# Altium PCB roach2.PcbDoc (part 29 of 39) (continued)
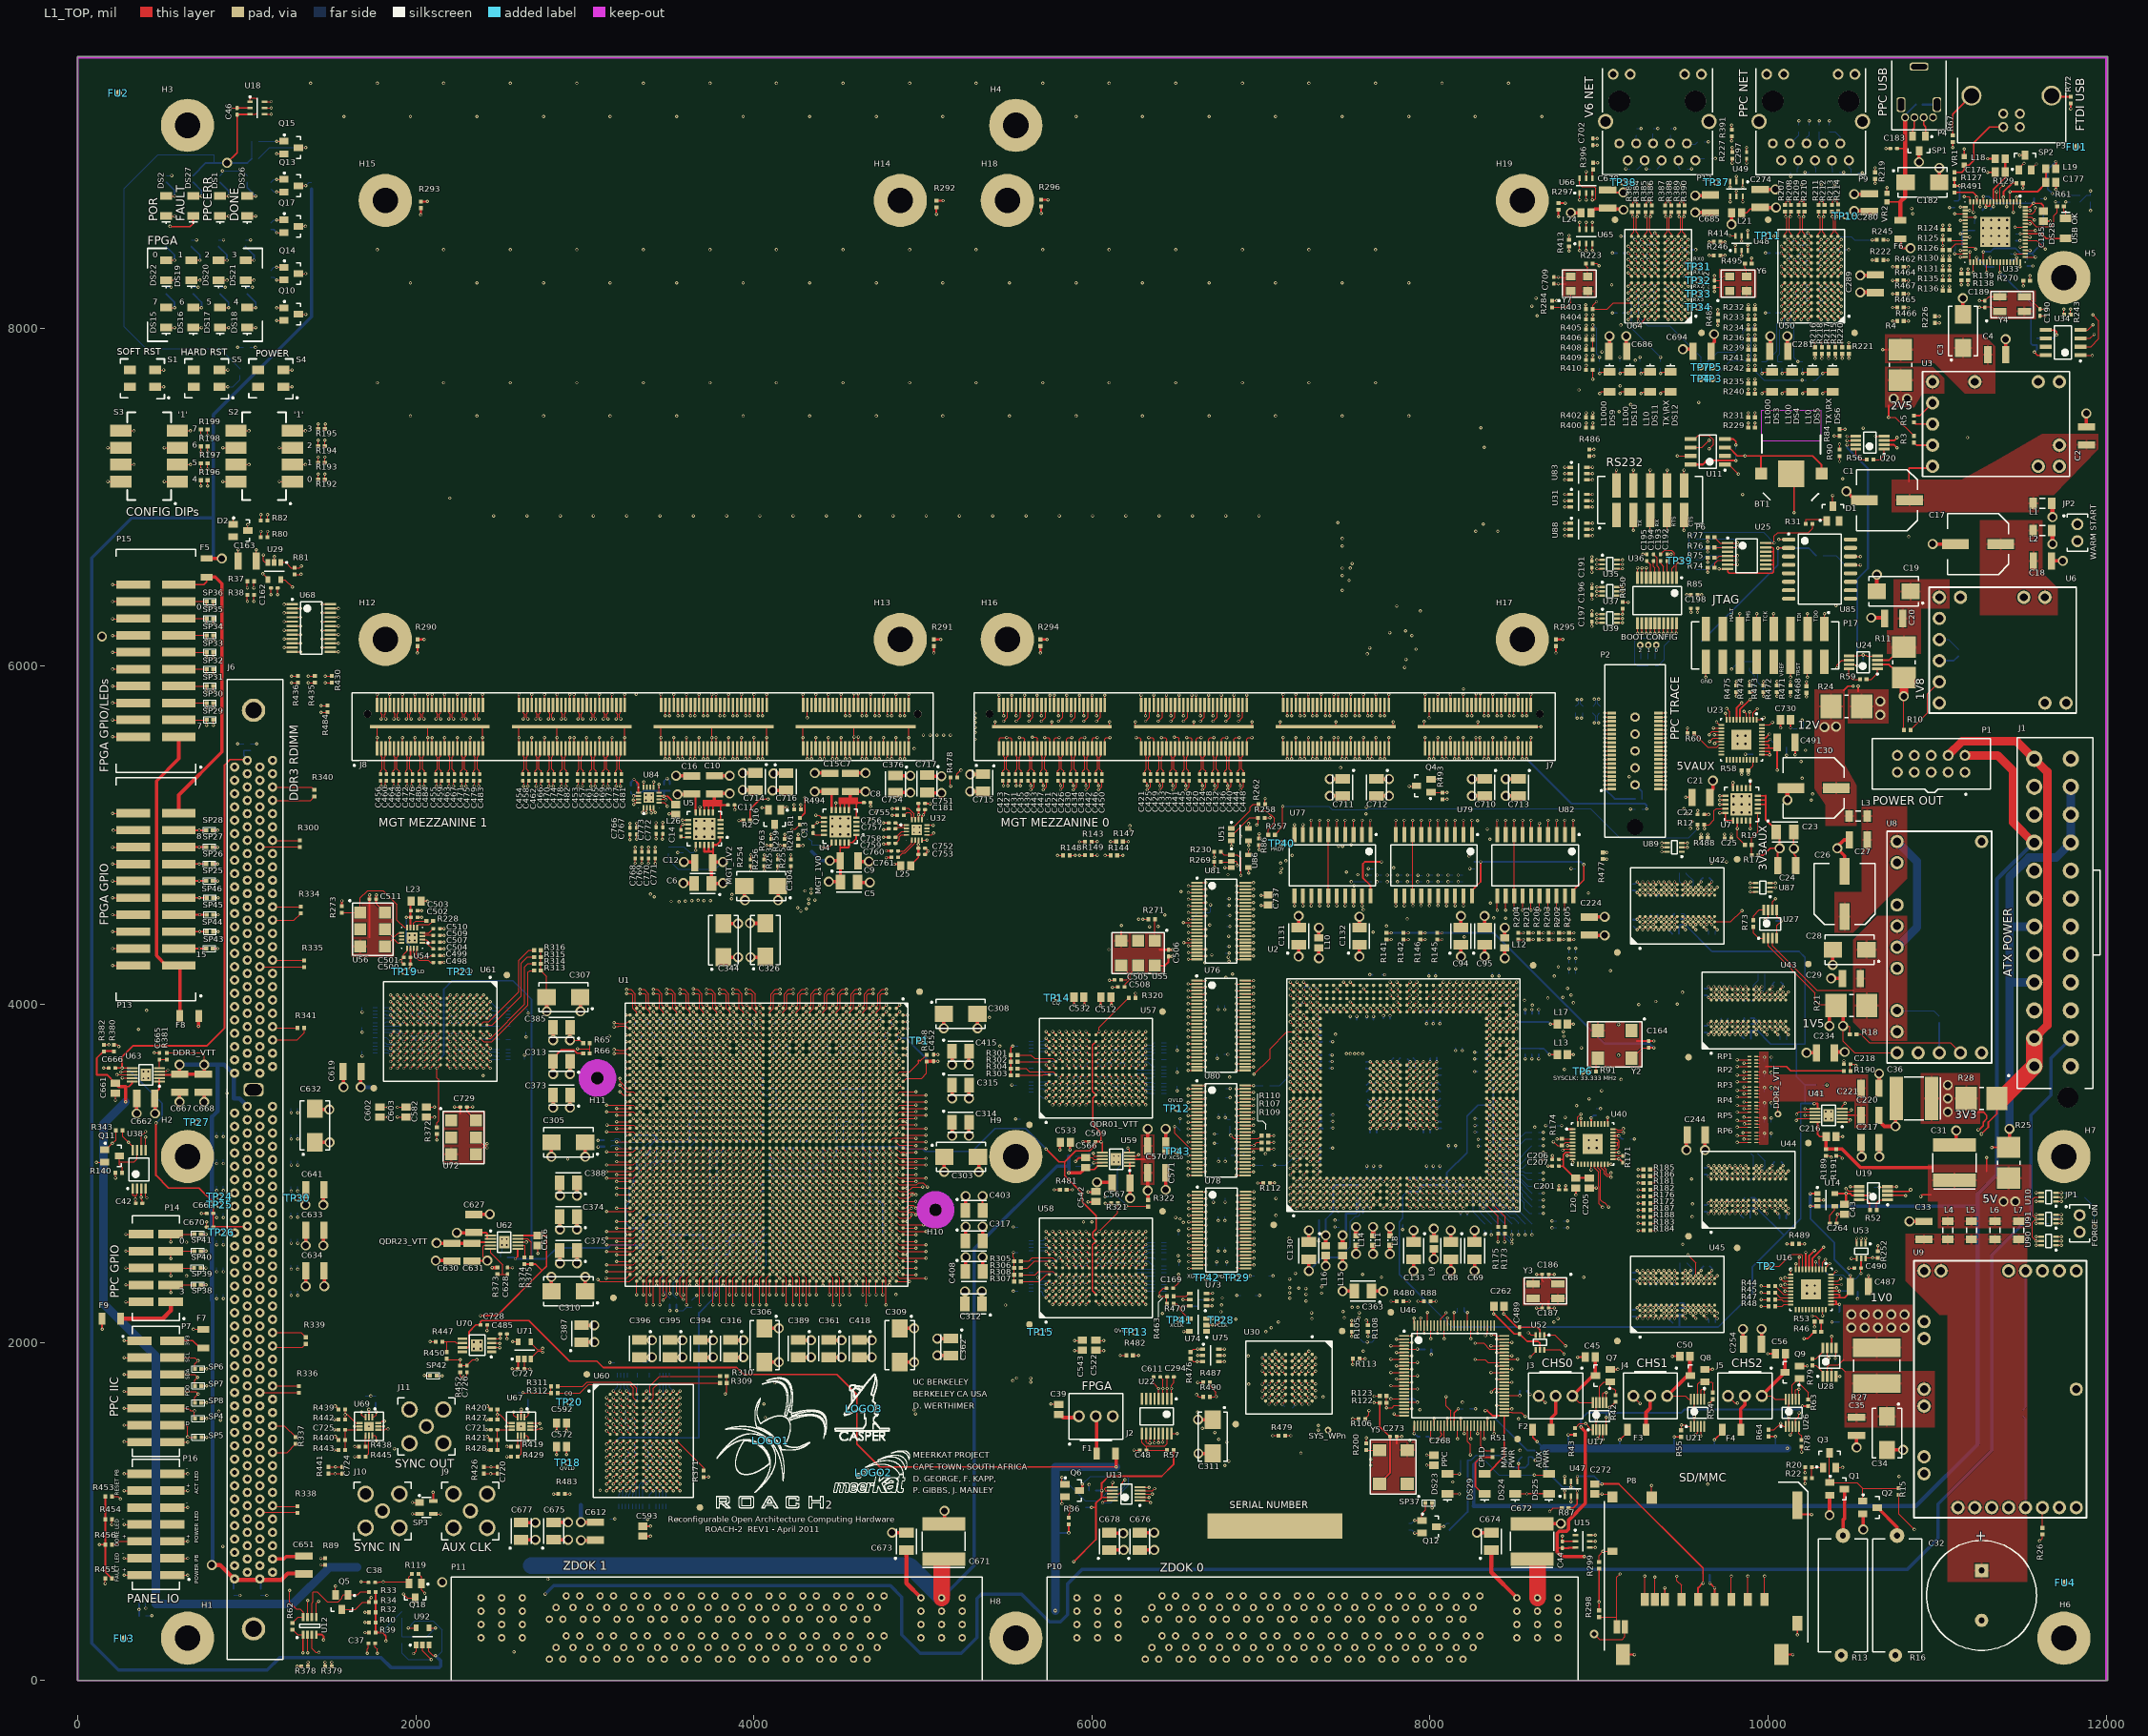
[diagram p0: L1_TOP view]
## Nets (pads, with @x,y where several pads share a name; then routed paths per layer and width w, separated by ;. In a path a pad name is that pad's centre, name@x,y a point inside that pad or via, vN(x,y) a via of type N, cw(c..) or ccw(c..) an arc to the next point about the centre after c; other vN are vias at no path point) (continued)
QDR1.Q29: U1.D32 U58.E1 | length 1413.4
  L1_TOP w5: U1.D32@4762.88,2754.37 v1(4782.57,2734.68) ; v1(5885.83,2224.41) U58.E1@5905.51,2244.09
  L3_S w3.8: v1(4782.57,2734.68) 4798.17,2750.28 4848.2,2750.28 4899.08,2699.4 4973.83,2699.4 4998.04,2675.19 5021.6,2675.19 5058.79,2638 5319.98,2638 5460.99,2496.99 5526.99,2496.99 5610.99,2412.99 5610.99,2385.07 5708.66,2287.4 5744.09,2287.4 5751.97,2279.53 5751.97,2255.91 5759.84,2248.03 5862.2,2248.03 v1(5885.83,2224.41)
QDR1.Q30: U1.J32 U58.F1 | length 1737.8
  L1_TOP w5: U1.J32@4566.03,2754.37 v1(4585.72,2734.68) ; v1(5925.2,2224.41) U58.F1@5944.88,2244.09
  L3_S w3.8: v1(4585.72,2734.68) 4601.41,2718.99 4669.12,2718.99 4688.23,2699.88 4688.23,2688.85 4705.17,2671.91 4862.99,2671.91 4867.08,2667.83 4913.82,2667.83 4944.13,2637.52 4944.13,2629.8 4953.27,2620.66 4993.76,2620.66 5012.28,2602.14 5229.84,2602.14 5300.99,2530.99 5300.99,2446.99 5348.99,2398.99 5440.99,2398.99 5470.99,2368.99 5470.99,2280.99 5551.12,2200.86 5901.65,2200.86 v1(5925.2,2224.41)
QDR1.Q31: U1.A34 U58.J2 | length 1399
  L1_TOP w5: U1.A34@4881.89,2675.63 v2(4959.73,2675.63) ; U58.J2@6062.99,2283.46 v1(6082.68,2263.78)
  L5_S w3.8: v2@4960.63,2677.17 4960.95,2676.85 4963.6,2674.19 5077.78,2674.19 5196.85,2555.12 5429.13,2555.12 5657.55,2326.7 5940.24,2326.7 5944.1,2322.83 5996.06,2322.83 6035.43,2283.46 6062.99,2283.46 v1(6082.68,2263.78)
QDR1.Q32: U1.C35 U58.K1 | length 1563.8
  L1_TOP w5: U1.C35@4802.25,2636.26 v1(4821.94,2616.57) ; U58.K1@6102.36,2244.09 v1(6122.05,2224.41)
  L14_S w3.8: v1(4821.94,2616.57) 4839.25,2616.57 4854.85,2600.97 4876.51,2600.97 4935.56,2541.92 4972.56,2541.92 4995.49,2518.99 5023.53,2518.99 5026.62,2515.91 5038.59,2503.94 5201.83,2503.94 5238.32,2540.43 5377.56,2540.43 5709.32,2208.66 6110.24,2208.66 6122.05,2220.47 v1(6122.05,2224.41)
QDR1.Q33: U1.E34 U58.L1 | length 1701
  L1_TOP w5: U1.E34@4723.51,2675.63 v1(4743.2,2655.94) ; U58.L1@6141.73,2244.09 v1(6161.42,2224.41)
  L14_S w3.8: v1@4744.1,2657.48 4744.42,2657.16 4769.4,2632.17 4789.03,2632.17 4798.17,2623.04 4798.17,2613.82 4819.18,2592.8 4828.4,2592.8 4829.21,2591.99 4863.99,2591.99 4925.99,2529.99 4962.99,2529.99 5012.67,2480.31 5227.58,2480.31 5238.32,2469.57 5367.67,2469.57 5378.41,2480.31 5419.67,2480.31 5703.13,2196.85 6153.54,2196.85 6161.42,2204.72 v1(6161.42,2224.41)
QDR1.Q34: U1.A32 U58.M2 | length 1626.5
  L1_TOP w5: U1.A32@4880.99,2754.37 4905.53,2754.37 4921.73,2770.57 4943.53,2770.57 v2(4959.73,2754.37) ; U58.M2@6181.1,2283.46 v1(6200.79,2263.78)
  L5_S w3.8: v2(4959.73,2754.37) 5003.19,2710.91 5010.06,2710.91 5028.06,2692.91 5098.42,2692.91 5212.6,2578.74 5458.24,2578.74 5619.66,2417.32 6153.54,2417.32 6181.1,2389.76 6181.1,2283.46 v1(6200.79,2263.78)
QDR1.Q35: U1.P25 U58.P1 | length 2587.8
  L1_TOP w5: U1.P25@4369.18,3029.96 v1(4388.87,3010.27) ; U58.P1@6259.84,2244.09 v1(6279.53,2224.41)
  L5_S w3.8: v1(4388.87,3010.27) 4412.64,2986.5 4412.64,2964.44 4421.77,2955.3 4842.18,2955.3 4845.71,2951.78 4845.71,2610.11 4854.85,2600.97 4880.51,2600.97 4998.31,2483.17 5060.14,2483.17 5065.15,2478.15 5094.49,2448.82 5094.49,2433.07 5173.23,2354.33 5173.23,2303.15 5224.41,2251.97 5366.12,2251.97 ; 5370.08,2251.97 5366.12,2251.97 ; v1(6279.53,2224.41) 6279.53,2200.79 6247.73,2168.99 5496.36,2168.99 5413.39,2251.97 5366.12,2251.97
QDR1.RDN: RP16.4 U1.C29 U58.A8 | length 1155.4
  L1_TOP w5: U1.C29@4802.25,2872.48 v1(4821.94,2852.79) ; v1(5728.35,2539.37) U58.A8@5748.03,2519.68
  L9_R w3.8: v1@4822.84,2854.33 4838.51,2870 4916.53,2870 4929.65,2856.88 4966.19,2856.88 4979.31,2870 5122.13,2870 5317.56,2674.56 5317.56,2670.33 5338.32,2649.57 5367.67,2649.57 ; 5367.7,2649.61 5582.68,2649.61 5653.54,2578.74 5688.98,2578.74 v1(5728.35,2539.37)
  L16_BOT w5: RP16.4@5692.68,2543.46 5724.25,2543.46 v1(5728.35,2539.37)
QDR1.WRN: RP12.2 U1.C31 U58.A4 | length 1335.7
  L1_TOP w5: U1.C31@4802.25,2793.74 v1(4821.94,2774.05) ; v1(5728.35,2342.52) U58.A4@5748.03,2362.2
  L14_S w3.8: v1@4823.16,2775.27 4822.84,2775.59 4877.86,2775.59 4928.76,2724.69 4946.79,2724.69 4979.64,2691.85 4979.64,2685.62 4993.35,2671.91 5213.64,2671.91 5235.99,2649.57 5367.67,2649.57 5383.45,2665.35 5602.36,2665.35 5645.67,2622.05 5645.67,2476.38 5708.66,2413.39 5732.28,2413.39 5744.09,2401.57 5744.09,2358.27 5740.16,2354.33 v1(5728.35,2342.52)
  L16_BOT w5: RP12.2@5692.68,2342.83 5728.03,2342.83 v1(5728.35,2342.52)
QDR1_TCK: U58.R2 U77.5 | length 4070.7
  L1_TOP w5: U58.R2@6299.21,2283.46 v1(6318.9,2263.78) ; U77.5@7447.99,5004.09 v2(7447.99,5088.42)
  L8_R w3.8: v2(6880.99,4992.99) 6880.99,4994.99 6882.99,4996.99 6979.24,4996.99 6982.53,4993.71 7037.71,4993.71 7170.99,5126.99 7409.42,5126.99 v2(7447.99,5088.42)
  L12_S w3.8: v2(6792.99,4158.99) 6726.99,4224.99 6726.99,4608.99 6688.99,4646.99 6688.99,4920.99 6760.99,4992.99 v2(6880.99,4992.99)
  L14_S w3.8: v1(6318.9,2263.78) 6388.11,2332.99 6674.99,2332.99 6768.99,2426.99 6768.99,3205.96 6761.19,3213.76 6761.19,3295.61 6733.26,3323.54 6733.26,3534.02 6768.99,3569.75 6768.99,4118.99 6792.99,4142.99 v2(6792.99,4158.99)
QDR1_TDI: R481.2 U58.R11 | length 628.4
  L1_TOP w5: R481.2@5850.64,2903.06 v2@5882.64,2903.06 ; U58.R11@6299.21,2637.8 v1(6318.9,2657.48)
  L5_S w3.8: v2(5884.64,2903.06) 5924.7,2862.99 6034.99,2862.99 6056.99,2840.99 6144.99,2840.99 6258.99,2726.99 6304.99,2726.99 6318.9,2713.09 v1(6318.9,2657.48)
QDR1_TDO: R482.1 U58.R1 | length 378.7
  L1_TOP w5: R482.1@6242.68,1922.99 v2@6274.68,1922.99 ; U58.R1@6299.21,2244.09 v1(6318.9,2224.41)
  L14_S w3.8: v2(6276.68,1922.99) 6318.9,1965.21 v1(6318.9,2224.41)
QDR1_TMS: U58.R10 U82.16 | length 4289.1
  L1_TOP w5: U58.R10@6299.21,2598.43 v1(6318.9,2618.11) ; v3(8647.99,4557.56) U82.16@8647.99,4641.89
  L9_R w3.8: v2@6809.68,4278.99 6827.59,4296.9 6827.59,4309.96 6840.62,4322.99 6872.99,4322.99 6885.59,4310.39 6974.39,4310.39 6992.99,4328.99 7078.99,4328.99 7114.99,4364.99 8422.99,4364.99 8564.99,4506.99 8597.42,4506.99 v3(8647.99,4557.56)
  L14_S w3.8: v1(6318.9,2618.11) 6528.99,2828.21 6528.99,2916.99 6576.99,2964.99 6710.99,2964.99 6733.26,2987.26 6733.26,3085.61 6748.99,3101.34 6748.99,3296.78 6725.46,3320.31 6725.46,3642.69 6756.3,3673.53 6756.3,3937.49 6731.26,3962.53 6731.26,3984.59 6748.99,4002.33 6748.99,4348.05 6767.93,4366.99 6816.99,4366.99 6827.59,4356.39 6827.59,4296.9 6809.68,4278.99 v2(6806.99,4278.99)
QDR01_VREF: C398.2 C400.2 C410.2 C412.2 C414.2 C417.2 C569.2 U1.D35 U1.E22 U1.F29 U1.G13 U1.H16 U1.H19 U1.H25 U1.H29 U1.J31 U1.K15 U1.L14 U1.M23 U57.H2 U57.H10 U58.H2 U58.H10 U59.6 | length 5415.6
  L1_TOP w5: U1.M23@4447.92,3108.7 v1(4467.61,3089.01) ; U1.L14@4487.29,3463.03 4488.51,3464.25 v1(4506.98,3482.72) ; U1.K15@4526.66,3423.66 4527.88,3424.88 v1(4546.35,3443.35) ; U1.J31@4566.03,2793.74 v1(4585.72,2774.05) ; U1.H29@4605.4,2872.48 v1(4625.09,2852.79) ; U1.H25@4605.4,3029.96 v1(4625.09,3010.27) ; U1.H19@4605.4,3266.18 4606.62,3267.4 v1(4625.09,3285.87) ; U1.H16@4605.4,3384.29 4606.62,3385.51 v1(4625.09,3403.98) ; U1.G13@4644.77,3502.4 4645.99,3503.62 v1(4664.46,3522.09) ; U1.F29@4684.14,2872.48 v1(4703.83,2852.79) ; U1.E22@4723.51,3148.07 v1(4743.2,3128.38) ; U1.D35@4762.88,2636.26 v1(4782.57,2616.57) ; v2@6052,3187.24 v2@6052.99,3188.24
  L1_TOP w8: v2(5728.99,3142.99) 5804.99,3066.99 5838.99,3066.99 ; C569.2@6020,3187.24 6020,3166 5986.99,3132.99 5904.99,3132.99 5838.99,3066.99 ; U58.H2@6023.94,2283.46 6002,2305.4 6002,2576.49 U58.H10@6023.94,2598.43 6004,2618.36 6004,2650 6024.99,2670.99 6024.99,2748.99 5942.99,2830.99 5942.99,2882.99 5838.99,2986.99 5838.99,3066.99 ; v2@6052,3187.24 6053,3186.24 6062.28,3176.96 U59.6@6062.28,3122.36
  L1_TOP w10: U57.H10@6023.62,3779.53 6002.99,3758.9 6002.99,3485.2 6023.62,3464.57 6004.99,3445.94 6004.99,3288.99 6052.99,3240.99 v2@6052.99,3188.24
  L1_TOP w12: C569.2@6020,3187.24 v2@6052,3187.24
  L16_BOT w5: v1(4585.72,2774.05) 4604.99,2793.33 4604.99,2832.7 v1(4625.09,2852.79) 4646.31,2874.02 4684.04,2874.02 C400.2@4685.04,2874.02 ; v1(4625.09,3010.27) 4646.99,3032.18 4646.99,3156.99
  L16_BOT w8: v1@4468.5,3090.55 4486.99,3109.04 4486.99,3148.99 4494.99,3156.99 4636.99,3156.99 ; v1@4508.19,3483.93 4524.68,3500.42 4642.79,3500.42 ; v1(4625.09,3285.87) 4626.21,3286.99 4642.79,3286.99 ; v1@4625.99,3405.51 4626.51,3404.99 4642.79,3404.99 ; v1(4664.46,3522.09) 4642.79,3500.42 ; v1@4744.1,3129.92 4744.1,3154.1 4746.99,3156.99 ; v2(5728.99,3142.99) 5606.99,3264.99 5426.99,3264.99 5292.37,3130.37 5011.45,3130.37 4998.83,3142.99 4904.99,3142.99 4890.99,3156.99 4746.99,3156.99 ; 4636.99,3156.99 4646.99,3156.99 4684.99,3156.99 4746.99,3156.99 ; 4636.99,3156.99 4642.79,3162.79 4642.79,3286.99 ; 4642.79,3286.99 4642.79,3404.99 ; 4642.79,3404.99 4642.79,3500.42
  L16_BOT w10: C417.2@4448.82,3070.87 4449.8,3071.85 v1@4468.5,3090.55 ; v1@4507.87,3484.25 4508.19,3483.93 4527.56,3464.57 4528.31,3463.82 v1@4547.24,3444.88 ; C412.2@4606.3,3385.83 v1@4625.99,3405.51 ; 4684.99,3156.99 4685.04,3156.94 4685.04,2874.02 4705.05,2854.01 4726.93,2832.12 4750.94,2832.12 4761.9,2821.17 4761.9,2639.68 4763.78,2637.8 v1@4783.47,2618.11 ; C414.2@4724.41,3110.24 v1@4744.1,3129.92
  other v2: 6054,3187.24
QDR01_VTT: C553.2 C554.2 C555.2 C556.2 C557.2 C558.2 C560.2 C561.2 C562.2 C563.2 C564.2 C565.2 C570.2 C571.2 R114.2 R272.2 R274.2 R275.2 R276.2 R277.2 R322.1 RP7.5 RP7.6 RP7.7 RP7.8 RP8.5 RP8.6 RP8.7 RP8.8 RP9.5 RP9.6 RP9.7 RP9.8 RP10.5 RP10.6 RP10.7 RP10.8 RP11.5 RP11.6 RP11.7 RP11.8 RP12.5 RP12.6 RP12.7 RP12.8 RP13.5 RP13.6 RP13.7 RP13.8 RP14.5 RP14.6 RP14.7 RP14.8 RP15.5 RP15.6 RP15.7 RP15.8 RP16.5 RP16.6 RP16.7 RP16.8 U59.3 | length 1693.2
  L1_TOP w10: U59.3@6223.7,3082.99 6331.02,3082.99 6338.58,3090.55 ; C571.2@6329.84,3002.99 C571.2@6329.84,3034.96 ; C570.2@6329.84,3131.02 C570.2@6329.84,3162.99
  L1_TOP w20: C571.2@6329.84,3002.99 v5(6329.84,2897.99) 6332.99,2894.84 R322.1@6332.99,2842.68 ; C570.2@6329.84,3162.99 v5(6329.84,3262.99)
  L16_BOT w5: 5626.14,2303.46 RP12.5@5653.31,2303.46 ; 5626.14,2323.15 RP12.6@5653.31,2323.15 ; 5626.14,2342.83 RP12.7@5653.31,2342.83 ; 5626.14,2362.52 RP12.8@5653.31,2362.52 ; 5626.14,2412.99 R277.2@5653.31,2412.99 ; 5626.14,2482.99 R276.2@5653.31,2482.99 ; 5626.14,2543.46 RP16.5@5653.31,2543.46 ; 5626.14,2563.15 RP16.6@5653.31,2563.15 ; 5626.14,2582.83 RP16.7@5653.31,2582.83 ; 5626.14,2602.52 RP16.8@5653.31,2602.52 ; 5626.14,3483.46 RP9.5@5653.31,3483.46 ; 5626.14,3503.15 RP9.6@5653.31,3503.15 ; 5626.14,3522.83 RP9.7@5653.31,3522.83 ; 5626.14,3542.52 RP9.8@5653.31,3542.52 ; 5626.14,3622.99 R275.2@5653.31,3622.99 ; 5626.14,3662.99 R272.2@5653.31,3662.99 ; 5626.14,3723.46 RP14.5@5653.31,3723.46 ; 5626.14,3743.15 RP14.6@5653.31,3743.15 ; 5626.14,3762.83 RP14.7@5653.31,3762.83 ; 5626.14,3782.52 RP14.8@5653.31,3782.52 ; RP11.8@6412.68,2303.46 6439.84,2303.46 ; RP11.7@6412.68,2323.15 6439.84,2323.15 ; RP11.6@6412.68,2342.83 6439.84,2342.83 ; RP11.5@6412.68,2362.52 6439.84,2362.52 ; RP15.8@6412.68,2393.46 6439.84,2393.46 ; RP15.7@6412.68,2413.15 6439.84,2413.15 ; RP15.6@6412.68,2432.83 6439.84,2432.83 ; RP15.5@6412.68,2452.52 6439.84,2452.52 ; R274.2@6412.68,2492.99 6439.84,2492.99 ; RP10.8@6412.68,2533.46 6439.84,2533.46 ; RP10.7@6412.68,2553.15 6439.84,2553.15 ; RP10.6@6412.68,2572.83 6439.84,2572.83 ; RP10.5@6412.68,2592.52 6439.84,2592.52 ; RP8.8@6412.68,3473.46 6439.84,3473.46 ; RP8.7@6412.68,3493.15 6439.84,3493.15 ; RP8.6@6412.68,3512.83 6439.84,3512.83 ; RP8.5@6412.68,3532.52 6439.84,3532.52 ; RP13.8@6412.68,3573.46 6439.84,3573.46 ; RP13.7@6412.68,3593.15 6439.84,3593.15 ; RP13.6@6412.68,3612.83 6439.84,3612.83 ; RP13.5@6412.68,3632.52 6439.84,3632.52 ; R114.2@6412.68,3672.99 6439.84,3672.99 ; RP7.8@6412.68,3713.46 6439.84,3713.46 ; RP7.7@6412.68,3733.15 6439.84,3733.15 ; RP7.6@6412.68,3752.83 6439.84,3752.83 ; RP7.5@6412.68,3772.52 6439.84,3772.52
QDR2.A0: RP19.1 U1.AK37 U60.B4 | length 1444.4
  L1_TOP w5: v1(3248.03,1673.23) U60.B4@3267.72,1653.54 ; v1(3719.57,2537.83) U1.AK37@3739.26,2557.52
  L12_S w3.8: v1(3248.03,1673.23) 3231.99,1689.27 3231.99,1753.99 3270.99,1792.99 3270.99,2216.23 3270.9,2216.32 3270.9,2229.34 3270.99,2229.43 3270.99,2268.79 3320.19,2317.99 3539.99,2317.99 3577.69,2355.69 3577.69,2536.13 3595,2553.43 3703.97,2553.43 v1(3719.57,2537.83)
  L16_BOT w5: v1(3248.03,1673.23) 3264.23,1689.43 3264.23,1719.31 3252.52,1731.02 RP19.1@3252.52,1753.31
QDR2.A1: RP24.3 U1.AG34 U60.B8 | length 1612.5
  L1_TOP w5: U60.B8@3425.2,1653.54 v1(3444.88,1673.23) ; v1(3837.68,2655.94) U1.AG34@3857.37,2675.63
  L12_S w3.8: v1(3444.88,1673.23) 3427.12,1690.99 3350.99,1690.99 3328.99,1712.99 3328.99,2225.99 3350.99,2247.99 3390.99,2247.99 3448.99,2305.99 3553.99,2305.99 3585.86,2337.86 3585.86,2504.92 3603.17,2522.23 3726.04,2522.23 3735.17,2531.37 3735.17,2576.16 3759.99,2600.97 3804.78,2600.97 3813.91,2610.11 3813.91,2632.17 v1(3837.68,2655.94)
  L16_BOT w5: v1(3444.88,1673.23) 3463.15,1691.5 RP24.3@3463.15,1753.31
QDR2.A2: R282.1 U1.AL40 U60.C5 | length 1302
  L1_TOP w5: v1(3287.4,1633.86) U60.C5@3307.09,1614.17 ; v1(3680.2,2419.72) U1.AL40@3699.89,2439.41
  L14_S w3.8: v1(3287.4,1633.86) 3335.99,1682.45 3335.99,2051.99 3365.99,2081.99 3624.99,2081.99 3695.8,2152.8 3695.8,2229.34 3684,2241.14 3684,2408.5 3676.49,2416.01 v1(3680.2,2419.72)
  L16_BOT w5: v1(3287.4,1633.86) 3312.99,1659.45 R282.1@3312.99,1753.31
QDR2.A3: R280.1 U1.AK39 U60.C7 | length 2280.4
  L1_TOP w5: U60.C7@3385.83,1614.17 v1(3405.51,1633.86) ; v1(3719.57,2459.09) U1.AK39@3739.26,2478.78
  L12_S w3.8: v1(3405.51,1633.86) 3425.64,1653.99 3591.32,1653.99 3627.32,1689.99 3627.32,1713.99 ; 3627.32,1753.59 3551.72,1753.59 ; 3627.32,1771.19 3551.72,1771.19 ; v1(3719.57,2459.09) 3703.97,2443.49 3672.49,2443.49 3656.43,2427.43 3656.43,2373.89 3644.92,2362.38 3644.92,2288.39 3625.23,2268.7 3625.23,2216.41 3627.32,2214.32 3627.32,1792.99 ; 3547.32,1740.39 cw(c3551.72,1740.39) 3551.72,1744.79 ; 3547.32,1740.39 ccw(c3551.72,1740.39) 3551.72,1735.99 ; 3547.32,1740.39 cw(c3551.72,1740.39) 3551.72,1744.79 ; 3547.32,1740.39 ccw(c3551.72,1740.39) 3551.72,1735.99 ; 3547.32,1757.99 cw(c3551.72,1757.99) 3551.72,1762.39 ; 3547.32,1757.99 cw(c3551.72,1757.99) 3551.72,1762.39 ; 3547.32,1757.99 ccw(c3551.72,1757.99) 3551.72,1753.59 ; 3547.32,1757.99 ccw(c3551.72,1757.99) 3551.72,1753.59 ; 3547.32,1775.59 ccw(c3551.72,1775.59) 3551.72,1771.19 ; 3547.32,1775.59 cw(c3551.72,1775.59) 3551.72,1779.99 ; 3547.32,1775.59 cw(c3551.72,1775.59) 3551.72,1779.99 ; 3547.32,1775.59 ccw(c3551.72,1775.59) 3551.72,1771.19 ; 3551.72,1735.99 3647.79,1735.99 ; 3551.72,1744.79 3647.79,1744.79 ; 3551.72,1753.59 3647.79,1753.59 ; 3551.72,1762.39 3647.79,1762.39 ; 3551.72,1771.19 3647.79,1771.19 ; 3551.72,1779.99 3647.79,1779.99 ; 3575.8,1722.79 cw(c3580.2,1722.79) 3580.2,1727.19 ; 3575.8,1722.79 ccw(c3580.2,1722.79) 3580.2,1718.39 ; 3575.8,1722.79 cw(c3580.2,1722.79) 3580.2,1727.19 ; 3575.8,1722.79 ccw(c3580.2,1722.79) 3580.2,1718.39 ; 3580.2,1718.39 3622.92,1718.39 ; 3580.2,1727.19 3647.79,1727.19 ; 3622.92,1718.39 cw(c3622.92,1713.99) 3627.32,1713.99 ; 3622.92,1718.39 cw(c3622.92,1713.99) 3627.32,1713.99 ; 3627.32,1792.99 ccw(c3631.52,1792.99) 3631.52,1788.79 ; 3627.32,1792.99 ccw(c3631.52,1792.99) 3631.52,1788.79 ; 3631.52,1788.79 3647.79,1788.79 ; 3647.79,1727.19 ccw(c3647.79,1731.59) 3652.19,1731.59 ; 3647.79,1727.19 ccw(c3647.79,1731.59) 3652.19,1731.59 ; 3647.79,1735.99 cw(c3647.79,1731.59) 3652.19,1731.59 ; 3647.79,1735.99 cw(c3647.79,1731.59) 3652.19,1731.59 ; 3647.79,1744.79 ccw(c3647.79,1749.19) 3652.19,1749.19 ; 3647.79,1744.79 ccw(c3647.79,1749.19) 3652.19,1749.19 ; 3647.79,1753.59 cw(c3647.79,1749.19) 3652.19,1749.19 ; 3647.79,1753.59 cw(c3647.79,1749.19) 3652.19,1749.19 ; 3647.79,1762.39 ccw(c3647.79,1766.79) 3652.19,1766.79 ; 3647.79,1762.39 ccw(c3647.79,1766.79) 3652.19,1766.79 ; 3647.79,1771.19 cw(c3647.79,1766.79) 3652.19,1766.79 ; 3647.79,1771.19 cw(c3647.79,1766.79) 3652.19,1766.79 ; 3647.79,1779.99 ccw(c3647.79,1784.39) 3652.19,1784.39 ; 3647.79,1779.99 ccw(c3647.79,1784.39) 3652.19,1784.39 ; 3647.79,1788.79 cw(c3647.79,1784.39) 3652.19,1784.39 ; 3647.79,1788.79 cw(c3647.79,1784.39) 3652.19,1784.39
  L16_BOT w5: R280.1@3382.99,1753.31 3382.99,1656.38 v1(3405.51,1633.86)
QDR2.A4: RP23.2 U1.AJ41 U60.N5 | length 1675.3
  L1_TOP w5: v1(3287.4,1200.79) U60.N5@3307.09,1220.47 ; v2(3758.94,2222.87) 3758.94,2380.35 U1.AJ41@3778.63,2400.04
  L14_S w3.8: v1(3287.4,1200.79) 3287.4,1205.4 3303.99,1221.99 3303.99,1399.78 3364.99,1460.78 3569.46,1460.78 3707.99,1599.31 3707.99,2013.99 3758.94,2064.94 v2(3758.94,2222.87)
  L16_BOT w5: v1(3287.4,1200.79) 3303.6,1184.59 3303.6,1083.13 RP23.2@3303.15,1082.68
QDR2.A5: RP23.3 U1.AH41 U60.N6 | length 1720.5
  L1_TOP w5: U60.N6@3346.46,1220.47 v1(3366.14,1200.79) ; v2(3798.31,2222.87) 3798.31,2380.35 U1.AH41@3818,2400.04
  L14_S w3.8: v1(3366.14,1200.79) 3333.99,1232.94 3333.99,1398.99 3374.99,1439.99 3615.99,1439.99 3745.99,1569.99 3745.99,1829.99 3801.22,1885.22 3801.22,2219.97 v2(3798.31,2222.87)
  L16_BOT w5: RP23.3@3322.83,1082.68 3322.83,1157.48 v1(3366.14,1200.79)
QDR2.A6: RP23.4 U1.AF39 U60.N7 | length 1816.4
  L1_TOP w5: U60.N7@3385.83,1220.47 v1(3405.51,1200.79) ; v1(3877.05,2459.09) U1.AF39@3896.74,2478.78
  L14_S w3.8: v1(3405.51,1200.79) 3386.99,1219.31 3386.99,1419.99 3395.99,1428.99 3624.99,1428.99 3764.99,1568.99 3764.99,1829.99 3822.08,1887.08 3822.08,2268.7 3861.45,2308.07 3861.45,2426.18 3877.05,2441.78 v1(3877.05,2459.09)
  L16_BOT w5: RP23.4@3342.52,1082.68 3342.52,1160.7 3359.43,1177.62 3382.34,1177.62 v1(3405.51,1200.79)
QDR2.A7: RP18.2 U1.AG39 U60.P4 | length 1897.6
  L1_TOP w5: v1(3248.03,1161.42) U60.P4@3267.72,1181.1 ; v1(3837.68,2459.09) U1.AG39@3857.37,2478.78
  L12_S w3.8: v1(3248.03,1161.42) 3258.75,1172.14 3258.75,1172.75 3269.99,1183.99 3269.99,1251.99 3281.93,1263.93 3593.93,1263.93 3785,1455 3785,1889.9 3793.42,1898.32 3793.42,1927.67 3785,1936.09 3785,1989.9 3793.42,1998.32 3793.42,2027.67 3785,2036.09 3785,2087 3789.99,2091.99 ; 3789.99,2089.99 3789.99,2091.99 ; 3796.99,2315.99 3796.99,2317.99 ; v1(3837.68,2459.09) 3818.99,2440.4 3818.99,2399.99 3796.99,2377.99 3796.99,2317.99 ; 3789.99,2091.99 3789.99,2201.86 3782.71,2209.13 3782.71,2229.34 3789.99,2236.61 3789.99,2244.99 3802.03,2257.03 3802.03,2312.95 3796.99,2317.99
  L16_BOT w5: RP18.2@3223.15,1082.68 3224.86,1084.39 3224.86,1138.25 v1(3248.03,1161.42)
QDR2.A8: RP18.4 U1.AJ42 U60.P5 | length 1669.9
  L1_TOP w5: v1(3287.4,1161.42) U60.P5@3307.09,1181.1 ; v2(3778.63,2281.93) U1.AJ42@3778.63,2360.67
  L14_S w3.8: v1(3287.4,1161.42) 3319.99,1194.01 3319.99,1397.99 3372.99,1450.99 3592.99,1450.99 3722.56,1580.56 3722.56,1943.14 3756.99,1977.56 3772.67,1977.56 3793.42,1998.32 3793.42,2027.67 3778.63,2042.46 v2(3778.63,2281.93)
  L16_BOT w5: RP18.4@3262.52,1082.68 3262.52,1100.52 3268.99,1106.99 3268.99,1143.01 v1(3287.4,1161.42)
QDR2.A9: RP17.1 U1.AG41 U60.P7 | length 1657
  L1_TOP w5: U60.P7@3385.83,1181.1 v1(3405.51,1161.42) ; v2(3837.68,2222.87) 3837.68,2380.35 U1.AG41@3857.37,2400.04
  L14_S w3.8: v1(3405.51,1161.42) 3424.99,1180.9 3424.99,1409.99 3431.99,1416.99 3631.99,1416.99 3786.99,1571.99 3786.99,1820.99 3837.68,1871.68 v2(3837.68,2222.87)
  L16_BOT w5: v1(3405.51,1161.42) 3423.46,1143.46 RP17.1@3423.46,1082.68
QDR2.A10: RP17.3 U1.AG36 U60.P8 | length 1912.2
  L1_TOP w5: U60.P8@3425.2,1181.1 v1(3444.88,1161.42) ; v1(3837.68,2577.2) U1.AG36@3857.37,2596.89
  L12_S w3.8: v1(3444.88,1161.42) 3455.65,1172.18 3456.18,1172.18 3464.99,1180.99 3593.99,1180.99 3860,1447 3860,2222.62 3833.99,2248.63 3833.99,2295.99 3892.65,2354.65 3892.65,2583.67 3883.52,2592.8 3870.59,2592.8 3854.99,2577.2 v1(3837.68,2577.2)
  L16_BOT w5: v1(3444.88,1161.42) 3462.83,1143.46 RP17.3@3462.83,1082.68
QDR2.A11: RP24.2 U1.AK42 U60.A9 | length 2185.2
  L1_TOP w5: U60.A9@3464.57,1692.91 v1(3484.25,1712.6) ; v2(3739.26,2281.93) U1.AK42@3739.26,2360.67
  L14_S w3.8: v1(3484.25,1712.6) 3484.25,1808.25 3495.99,1819.99 3499.99,1819.99 ; v2(3739.26,2281.93) 3725.99,2268.66 3725.99,2071.99 3646.99,1992.99 3646.99,1846.99 3645.99,1846.99 3618.99,1819.99 3615.19,1819.99 ; 3499.99,1819.99 ccw(c3499.99,1826.39) 3506.39,1826.39 ; 3499.99,1819.99 ccw(c3499.99,1826.39) 3506.39,1826.39 ; 3506.39,1826.39 3506.39,1893.59 ; 3506.39,1893.59 cw(c3512.79,1893.59) 3512.79,1899.99 ; 3506.39,1893.59 cw(c3512.79,1893.59) 3512.79,1899.99 ; 3512.79,1899.99 cw(c3512.79,1893.59) 3519.19,1893.59 ; 3512.79,1899.99 cw(c3512.79,1893.59) 3519.19,1893.59 ; 3519.19,1746.39 ccw(c3525.59,1746.39) 3525.59,1739.99 ; 3519.19,1746.39 ccw(c3525.59,1746.39) 3525.59,1739.99 ; 3519.19,1746.39 3519.19,1893.59 ; 3525.59,1739.99 ccw(c3525.59,1746.39) 3531.99,1746.39 3531.99,1893.59 ; 3531.99,1893.59 cw(c3538.39,1893.59) 3538.39,1899.99 ; 3531.99,1893.59 cw(c3538.39,1893.59) 3538.39,1899.99 ; 3538.39,1899.99 cw(c3538.39,1893.59) 3544.79,1893.59 ; 3538.39,1899.99 cw(c3538.39,1893.59) 3544.79,1893.59 ; 3544.79,1746.39 ccw(c3551.19,1746.39) 3551.19,1739.99 ; 3544.79,1746.39 ccw(c3551.19,1746.39) 3551.19,1739.99 ; 3544.79,1746.39 3544.79,1893.59 ; 3551.19,1739.99 ccw(c3551.19,1746.39) 3557.59,1746.39 3557.59,1873.58 ; 3557.59,1873.58 cw(c3563.99,1873.58) 3563.99,1879.98 ; 3557.59,1873.58 cw(c3563.99,1873.58) 3563.99,1879.98 ; 3563.99,1879.98 cw(c3563.99,1873.58) 3570.39,1873.58 ; 3563.99,1879.98 cw(c3563.99,1873.58) 3570.39,1873.58 ; 3570.39,1746.39 ccw(c3576.79,1746.39) 3576.79,1739.99 ; 3570.39,1746.39 ccw(c3576.79,1746.39) 3576.79,1739.99 ; 3570.39,1746.39 3570.39,1873.58 ; 3576.79,1739.99 ccw(c3576.79,1746.39) 3583.19,1746.39 3583.19,1872.81 ; 3583.19,1872.81 cw(c3589.59,1872.81) 3589.59,1879.21 ; 3583.19,1872.81 cw(c3589.59,1872.81) 3589.59,1879.21 ; 3589.59,1879.21 cw(c3589.59,1872.81) 3595.99,1872.81 ; 3589.59,1879.21 cw(c3589.59,1872.81) 3595.99,1872.81 ; 3595.99,1746.39 ccw(c3602.39,1746.39) 3602.39,1739.99 ; 3595.99,1746.39 ccw(c3602.39,1746.39) 3602.39,1739.99 ; 3595.99,1746.39 3595.99,1872.81 ; 3602.39,1739.99 ccw(c3602.39,1746.39) 3608.79,1746.39 3608.79,1813.59 ; 3608.79,1813.59 cw(c3615.19,1813.59) 3615.19,1819.99 ; 3608.79,1813.59 cw(c3615.19,1813.59) 3615.19,1819.99
  L16_BOT w5: RP24.2@3482.83,1753.31 3482.83,1714.02 v1(3484.25,1712.6)
QDR2.A12: RP18.1 U1.AJ40 U60.R3 | length 1803
  L1_TOP w5: v1(3208.66,1122.05) U60.R3@3228.35,1141.73 ; v1(3758.94,2419.72) U1.AJ40@3778.63,2439.41
  L12_S w3.8: v1(3208.66,1122.05) 3224.26,1137.65 3224.26,1167.88 3223.99,1168.15 3223.99,1194.06 3224.26,1194.32 3224.26,1207.25 3223.99,1207.52 3223.99,1233.43 3224.26,1233.69 3224.26,1246.62 3223.99,1246.89 3223.99,1272.8 3224.26,1273.06 3224.26,1285.99 3223.99,1286.26 3223.99,1312.17 3224.26,1312.43 3224.26,1325.36 3223.99,1325.63 3223.99,1351.54 3224.26,1351.8 3224.26,1364.73 3223.99,1365 3223.99,1390.91 3224.26,1391.17 3224.26,1404.1 3223.99,1404.37 3223.99,1409.99 3259.99,1445.99 3564.99,1445.99 3709.99,1590.99 3709.99,2200.99 3758.94,2249.94 v1(3758.94,2419.72)
  L16_BOT w5: RP18.1@3203.46,1082.68 3203.46,1099.46 3208.66,1104.66 v1(3208.66,1122.05)
QDR2.A13: RP18.3 U1.AH39 U60.R4 | length 1900.9
  L1_TOP w5: v1(3248.03,1122.05) U60.R4@3267.72,1141.73 ; v1(3798.31,2459.09) U1.AH39@3818,2478.78
  L12_S w3.8: v1(3248.03,1122.05) 3248.03,1136.95 3232.43,1152.55 3232.43,1404.1 3258.32,1429.99 3583.99,1429.99 3739.44,1585.44 3739.44,1881.44 3722.56,1898.32 3722.56,2047.56 3747.99,2072.99 3747.99,2102.99 ; 3747.99,2099.99 3747.99,2102.99 ; v1(3798.31,2459.09) 3798.31,2441.78 3775.99,2419.46 3775.99,2306.63 3794.23,2288.39 3794.23,2266.23 3770.99,2242.99 3770.99,2232.89 3774.54,2229.34 3774.54,2211.54 3747.99,2184.99 3747.99,2102.99
  L16_BOT w5: RP18.3@3242.83,1082.68 3242.83,1097.83 3248.03,1103.03 v1(3248.03,1122.05)
QDR2.A14: RP23.1 U1.AG38 U60.R5 | length 1858.9
  L1_TOP w5: v1(3287.4,1122.05) U60.R5@3307.09,1141.73 ; v1(3837.68,2498.46) U1.AG38@3857.37,2518.15
  L12_S w3.8: v1(3287.4,1122.05) 3311.99,1146.64 3311.99,1179.99 3351.99,1219.99 3595.99,1219.99 3795,1419 3795,1730 3805,1740 3805,2089 3815.99,2099.99 ; 3815.99,2097.99 3815.99,2099.99 ; v1(3837.68,2498.46) 3837.68,2481.15 3853.28,2465.55 3853.28,2340.28 3815.99,2302.99 3815.99,2099.99
  L16_BOT w5: RP23.1@3283.46,1082.68 3283.46,1098.46 3287.4,1102.4 v1(3287.4,1122.05)
QDR2.A15: R278.1 U1.AG42 U60.R7 | length 1612.8
  L1_TOP w5: U60.R7@3385.83,1141.73 v1(3405.51,1122.05) ; v2(3857.37,2281.93) U1.AG42@3857.37,2360.67
  L14_S w3.8: v1(3405.51,1122.05) 3421.46,1137.99 3449.99,1137.99 3463.99,1151.99 3463.99,1366.99 3478.99,1381.99 3638.99,1381.99 3857.37,1600.37 v2(3857.37,2281.93)
  L16_BOT w5: R278.1@3382.99,1082.68 3382.99,1099.53 v1(3405.51,1122.05)
QDR2.A16: RP17.2 U1.AF40 U60.R8 | length 1669.8
  L1_TOP w5: U60.R8@3425.2,1141.73 v1(3444.88,1122.05) ; v1(3877.05,2419.72) U1.AF40@3896.74,2439.41
  L14_S w3.8: v1(3444.88,1122.05) 3462.19,1122.05 3477.79,1137.65 3484.65,1137.65 3504.99,1157.99 3504.99,1328.99 3515.99,1339.99 3635.99,1339.99 3892.65,1596.65 3892.65,2229.34 3877.05,2244.94 v1(3877.05,2419.72)
  L16_BOT w5: RP17.2@3443.15,1082.68 3443.15,1120.31 v1(3444.88,1122.05)
QDR2.A17: RP17.4 U1.AJ35 U60.R9 | length 2045.3
  L1_TOP w5: U60.R9@3464.57,1141.73 v1(3484.25,1122.05) ; v1(3758.94,2616.57) U1.AJ35@3778.63,2636.26
  L12_S w3.8: v1(3484.25,1122.05) 3507.2,1144.99 3599.99,1144.99 3880,1425 3880,1797 3892.65,1809.65 3892.65,2229.34 3875.99,2246 3875.99,2252.99 ; v1(3758.94,2616.57) 3777.36,2634.99 3799.42,2634.99 3822.08,2657.65 3822.08,2662.41 3831.22,2671.54 3883.52,2671.54 3900.82,2654.24 3900.82,2332.82 3875.99,2307.99 3875.99,2252.99 ; 3875.99,2250.99 3875.99,2252.99
  L16_BOT w5: RP17.4@3482.52,1082.68 3482.52,1120.31 v1(3484.25,1122.05)
QDR2.A18: RP19.3 U1.AK38 U60.A3 | length 1331.3
  L1_TOP w5: v1(3208.66,1712.6) U60.A3@3228.35,1692.91 ; v1(3719.57,2498.46) U1.AK38@3739.26,2518.15
  L14_S w3.8: v1(3208.66,1712.6) 3208.66,2367.66 3284.49,2443.49 3686.67,2443.49 3695.8,2452.63 3695.8,2474.69 v1(3719.57,2498.46)
  L16_BOT w5: v1(3208.66,1712.6) 3208.66,1725.66 3213.15,1730.15 RP19.3@3213.15,1753.31
QDR2.A19: RP24.1 U1.AF37 U60.A10 | length 2074
  L1_TOP w5: U60.A10@3503.94,1692.91 v1(3523.62,1712.6) ; v1(3877.05,2537.83) U1.AF37@3896.74,2557.52
  L12_S w3.8: v1(3523.62,1712.6) 3519.99,1716.23 3523.99,1720.23 3523.99,2086.99 ; v1(3877.05,2537.83) 3856.21,2516.99 3751.99,2516.99 3735.17,2500.17 3735.17,2491.82 3734.99,2491.64 3734.99,2484.99 3730.99,2480.99 3632.99,2480.99 3625.23,2473.23 3625.23,2377.23 3604.99,2356.99 3604.99,2251.99 3559.99,2206.99 3531.99,2206.99 3523.99,2198.99 3523.99,2138.99 ; 3443.99,2103.79 cw(c3448.39,2103.79) 3448.39,2108.19 ; 3443.99,2103.79 cw(c3448.39,2103.79) 3448.39,2108.19 ; 3443.99,2103.79 ccw(c3448.39,2103.79) 3448.39,2099.39 ; 3443.99,2103.79 ccw(c3448.39,2103.79) 3448.39,2099.39 ; 3443.99,2121.39 cw(c3448.39,2121.39) 3448.39,2125.79 ; 3443.99,2121.39 cw(c3448.39,2121.39) 3448.39,2125.79 ; 3443.99,2121.39 ccw(c3448.39,2121.39) 3448.39,2116.99 ; 3443.99,2121.39 ccw(c3448.39,2121.39) 3448.39,2116.99 ; 3448.39,2099.39 3599.59,2099.39 ; 3448.39,2108.19 3599.59,2108.19 ; 3448.39,2116.99 3599.59,2116.99 ; 3448.39,2125.79 3599.59,2125.79 ; 3523.99,2086.99 cw(c3527.59,2086.99) 3527.59,2090.59 ; 3523.99,2086.99 cw(c3527.59,2086.99) 3527.59,2090.59 ; 3523.99,2138.99 ccw(c3528.39,2138.99) 3528.39,2134.59 ; 3523.99,2138.99 ccw(c3528.39,2138.99) 3528.39,2134.59 ; 3527.59,2090.59 3599.59,2090.59 ; 3528.39,2134.59 3599.59,2134.59 ; 3599.59,2090.59 ccw(c3599.59,2094.99) 3603.99,2094.99 ; 3599.59,2090.59 ccw(c3599.59,2094.99) 3603.99,2094.99 ; 3599.59,2099.39 cw(c3599.59,2094.99) 3603.99,2094.99 ; 3599.59,2099.39 cw(c3599.59,2094.99) 3603.99,2094.99 ; 3599.59,2108.19 ccw(c3599.59,2112.59) 3603.99,2112.59 ; 3599.59,2108.19 ccw(c3599.59,2112.59) 3603.99,2112.59 ; 3599.59,2116.99 cw(c3599.59,2112.59) 3603.99,2112.59 ; 3599.59,2116.99 cw(c3599.59,2112.59) 3603.99,2112.59 ; 3599.59,2125.79 ccw(c3599.59,2130.19) 3603.99,2130.19 ; 3599.59,2125.79 ccw(c3599.59,2130.19) 3603.99,2130.19 ; 3599.59,2134.59 cw(c3599.59,2130.19) 3603.99,2130.19 ; 3599.59,2134.59 cw(c3599.59,2130.19) 3603.99,2130.19
  L16_BOT w5: RP24.1@3502.52,1753.31 3502.52,1733.7 v1(3523.62,1712.6)
QDR2.A20: RP19.4 U1.AL39 U60.A2 | length 1341.3
  L1_TOP w5: v1(3169.29,1712.6) U60.A2@3188.98,1692.91 ; v1(3680.2,2459.09) U1.AL39@3699.89,2478.78
  L14_S w3.8: v1(3169.29,1712.6) 3169.29,2396.29 3249.32,2476.32 3662.97,2476.32 v1(3680.2,2459.09)
  L16_BOT w5: v1(3169.29,1712.6) 3193.46,1736.77 RP19.4@3193.46,1753.31